# Altium PCB FMC_CMOS_SENSOR.PcbDoc (part 2 of 3)
Units mil, origin at the board's own origin, x right, y up, seen from the top; angles counter-clockwise.
Board outline 3017.68 x 2726.57 mil, 4 copper layers (Top Layer, Plane L3GND, MidLayer1, Bottom Layer), stack 55.118 mil thick; 88 components, 198 nets, 750 pads, 383 vias.
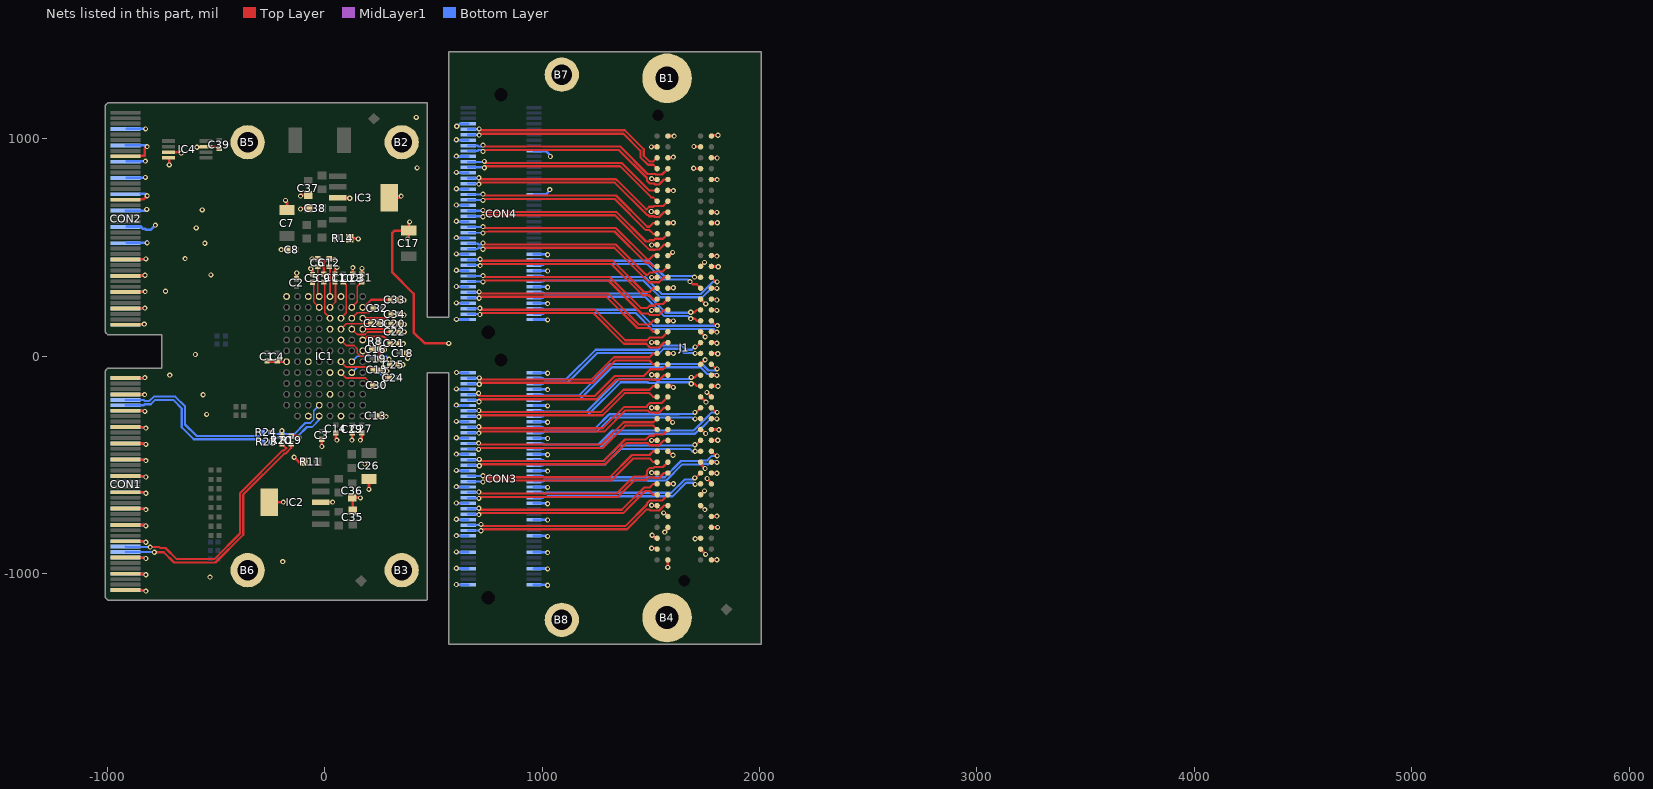
[diagram p4: the nets of this part, all layers, seen from the top]

## Via types
v1: diameter 23.62, hole 11.81, Top Layer to Bottom Layer, tented both sides, 364 vias
v2: diameter 23.62, hole 11.81, Top Layer to Bottom Layer, 19 vias

## Nets (pads, with @x,y where several pads share a name; then routed paths per layer and width w, separated by ;. In a path a pad name is that pad's centre, name@x,y a point inside that pad or via, vN(x,y) a via of type N, cw(c..) or ccw(c..) an arc to the next point about the centre after c; other vN are vias at no path point) (continued)
GND: B1.1 B2.1 B3.1 B4.1 B5.1 B6.1 B7.1 B8.1 C1.1 C2.1 C3.1 C4.1 C5.2 C6.2 C7.2 C8.1 C9.2 C11.2 C12.2 C13.1 C14.1 C15.2 C16.2 C17.2 C18.1 C19.1 C20.2 C21.2 C22.2 C23.2 C25.2 C26.2 C27.1 C28.1 C29.1 C31.2 C33.2 C34.2 C35.1 C36.1 C37.1 C38.1 C39.2 CON1.1 CON1.2 CON1.7 CON1.8 CON1.13 CON1.14 CON1.19 CON1.20 CON1.25 CON1.26 CON1.31 CON1.32 CON1.37 CON1.38 CON1.43 CON1.44 CON1.49 CON1.50 CON1.55 CON1.56 CON1.61 CON1.62 CON1.67 CON1.68 CON1.73 CON1.74 CON1.79 CON1.80 CON2.1 CON2.2 CON2.7 CON2.8 CON2.13 CON2.14 CON2.19 CON2.20 CON2.25 CON2.26 CON2.31 CON2.37 CON2.43 CON2.48 CON2.49 CON2.55 CON2.61 CON2.64 CON2.67 CON2.73 CON3.1 CON3.2 CON3.7 CON3.8 CON3.13 CON3.14 CON3.19 CON3.20 CON3.25 CON3.26 CON3.31 CON3.32 CON3.37 CON3.38 CON3.43 CON3.44 CON3.49 CON3.50 CON3.55 CON3.56 CON3.61 CON3.62 CON3.67 CON3.68 CON3.73 CON3.74 CON3.79 CON3.80 CON4.1 CON4.2 CON4.7 CON4.8 CON4.13 CON4.14 CON4.19 CON4.20 CON4.25 CON4.26 CON4.31 CON4.37 CON4.43 CON4.48 CON4.49 CON4.55 CON4.61 CON4.64 CON4.67 CON4.73 IC1.A6 IC1.A12 IC1.C1 IC1.C6 IC1.C12 IC1.E3 IC1.E5 IC1.E9 IC1.F1 IC1.F12 IC1.H7 IC2.3 IC2.6 IC3.3 IC3.6 IC4.3 IC4.4 IC4.7 J1.c1 J1.c4 J1.c5 J1.c8 J1.c9 J1.c12 J1.c13 J1.c16 J1.c17 J1.c20 J1.c21 J1.c24 J1.c25 J1.c28 J1.c29 J1.c32 J1.c33 J1.c36 J1.c38 J1.c40 J1.d2 J1.d3 J1.d6 J1.d7 J1.d10 J1.d13 J1.d16 J1.d19 J1.d22 J1.d25 J1.d28 J1.d37 J1.d39 J1.g1 J1.g4 J1.g5 J1.g8 J1.g11 J1.g14 J1.g17 J1.g20 J1.g23 J1.g26 J1.g29 J1.g32 J1.g35 J1.g38 J1.g40 J1.h2 J1.h3 J1.h6 J1.h9 J1.h12 J1.h15 J1.h18 J1.h21 J1.h24 J1.h27 J1.h30 J1.h33 J1.h36 J1.h39 R8.1 R11.2 R14.2 | length 11806.6
  Top Layer w12: CON1.80@-915.47,-100.7 -829.05,-100.7 v1(-826.77,-98.43) ; CON1.2@-914.67,-1076.4 -826.73,-1076.4 v1(-822.73,-1080.4) ; CON1.8@-914.67,-1001.4 -826.73,-1001.4 v1(-822.73,-1005.4) ; CON1.14@-914.67,-926.4 -826.73,-926.4 v1(-822.73,-930.4) ; CON1.20@-914.67,-851.4 -826.73,-851.4 v1(-822.73,-855.4) ; CON1.26@-914.67,-776.4 -826.73,-776.4 v1(-822.73,-780.4) ; CON1.32@-914.67,-701.4 -826.73,-701.4 v1(-822.73,-705.4) ; CON1.38@-914.67,-626.4 -826.73,-626.4 v1(-822.73,-630.4) ; CON1.44@-914.67,-551.4 -826.73,-551.4 v1(-822.73,-555.4) ; CON1.50@-914.67,-476.4 -826.73,-476.4 v1(-822.73,-480.4) ; CON1.56@-914.67,-401.4 -826.73,-401.4 v1(-822.73,-405.4) ; CON1.62@-914.67,-326.4 -826.73,-326.4 v1(-822.73,-330.4) ; CON1.68@-914.67,-251.4 -829.04,-251.4 v1(-826.94,-253.56) v1(-826.94,-253.56) ; CON1.74@-914.67,-176.4 -913.09,-174.82 v1@-828.47,-174.82 ; CON2.2@-910.67,146.6 -830.67,146.6 v1(-829.67,147.6) ; CON2.8@-910.67,221.6 v1(-826.67,221.6) ; CON2.14@-910.67,296.6 -826.67,296.6 v1(-825.67,297.6) ; CON2.20@-910.67,371.6 -827.73,371.6 v1(-826.6,372.73) ; CON2.26@-910.67,446.6 -823.67,446.6 v1(-822.67,447.6) ; CON2.64@-910.67,921.6 -829.67,921.6 -826.77,924.5 -826.77,954.72 ; -846.46,721.6 -833.51,721.6 v1@-820.67,734.45 ; IC4.4@-718.4,912.71 -714.78,909.1 v1(-714.78,880.1) ; IC4.3@-718.4,938.3 -663.99,938.3 v1(-659.78,934.1) ; v1(-587.49,961.1) -584.69,963.89 IC4.7@-545.17,963.89 -493.01,963.89 C39.2@-484.78,955.67 ; C1.1@-265.25,-20.68 -260.68,-25.25 IC1.A6@-175.25,-25.25 ; IC2.6@-254.36,-672.25 -191.09,-672.25 v1(-190.03,-671.19) ; v1(-199.87,490.24) C8.1@-168.38,490.23 ; v1(-180.19,716.61) -173.25,709.67 C7.2@-173.25,671.86 ; v1(-140.82,-464.5) -119.06,-486.25 R11.2@-96.24,-486.25 ; C2.1@-129.25,356.18 -129.25,381.75 v1(-128.25,382.75) ; v1(-111.29,677.24) -108.78,679.75 C38.1@-74.75,679.75 ; v1(-111.28,736.3) -105.83,741.76 C37.1@-75.25,741.76 ; v1(-64.25,402.75) -56.25,394.75 C5.2@-56.25,375.75 ; v1(-57.25,447.75) -56.54,448.46 C6.2@-32.25,448.46 -19.5,448.46 -4.25,433.22 ; IC2.3@-18.14,-672.25 35.28,-672.25 v1(36.35,-671.19) ; C3.1@-13.25,-381.68 -13.25,-414.88 v1(-12.86,-415.27) ; C9.2@-4.25,376.46 -4.25,433.22 ; v1(45.75,444.75) 42.32,448.18 C12.2@20.75,448.18 10.71,448.18 -4.25,433.22 ; C11.2@47.75,378.18 47.75,399.75 v1(56.75,408.75) ; C14.1@50.75,-351.97 50.75,-380.46 v1(56.04,-385.75) ; IC3.3@60.75,728.75 112.79,728.75 v1(115.09,726.45) ; R14.2@114.75,542.75 151.15,542.75 v1(154.46,539.44) ; v1(124.93,-385.76) 126.75,-383.94 C29.1@126.75,-353.25 ; C35.1@128.75,-709.76 128.75,-650.75 C36.1@127.75,-649.75 162.54,-649.75 v1(164.3,-651.5) ; C28.1@128.75,376.75 128.75,406.75 v1(129.75,407.75) ; v1(164.3,-385.76) 170.75,-379.31 C27.1@170.75,-351.97 ; C31.2@170.75,377.75 170.75,402.75 v1(171.75,403.75) ; v1(203.67,-612.13) C26.2@203.67,-563.92 ; C23.2@247.18,151.75 270.75,151.75 v1(271.75,150.75) ; R8.1@250.18,68.75 250.18,33.03 C16.2@251.46,31.75 ; C13.1@251.46,-274.25 279.19,-274.25 v1(282.42,-277.48) ; C19.1@253.18,-11.25 253.18,30.03 C16.2@251.46,31.75 ; C15.2@258.46,-63.25 280.75,-63.25 v1(285.75,-68.25) ; v1(275.75,29.75) 273.75,31.75 C16.2@251.46,31.75 ; IC3.6@296.97,728.75 343.76,728.75 v1(351.31,736.29) ; C25.2@334.75,-38.25 358.75,-38.25 v1(359.75,-39.25) ; C21.2@337.46,58.75 360.75,58.75 v1(361.75,57.75) ; C33.2@339.18,259.75 361.75,259.75 v1(363.75,257.75) ; C22.2@340.18,111.75 v1(365.75,111.75) ; C20.2@340.18,149.75 363.87,149.75 v1(366.87,146.75) ; C34.2@340.46,192.75 361.75,192.75 v1(364.75,189.75) ; C18.1@377.18,14.75 381.75,10.18 v1(381.75,-10.25) ; v1(380.83,539.44) 386.75,545.35 C17.2@386.75,577.8 ; v1(390.68,618.18) 386.75,614.25 C17.2@386.75,577.8 ; v2(570.87,59.06) 460.63,59.06 409.45,110.24 409.45,287.4 311.02,385.83 311.02,566.93 321.9,577.8 C17.2@386.75,577.8 ; v1(1502.08,665.75) 1504.89,662.94 J1.h33@1528.79,662.94 ; v1(1503.08,962.75) 1503.28,962.94 J1.h39@1528.79,962.94 ; v1(1504.08,-883.25) 1524.99,-883.25 J1.h2@1528.79,-887.06 ; v1(1504.08,-685.25) 1505.89,-687.06 J1.h6@1528.79,-687.06 ; v1(1504.08,-535.25) 1505.89,-537.06 J1.h9@1528.79,-537.06 ; v1(1504.08,-387.25) 1504.28,-387.06 J1.h12@1528.79,-387.06 ; v1(1504.08,-237.25) 1504.28,-237.06 J1.h15@1528.79,-237.06 ; v1(1504.08,-85.25) 1505.89,-87.06 J1.h18@1528.79,-87.06 ; v1(1504.08,63.75) 1504.89,62.94 J1.h21@1528.79,62.94 ; v1(1504.08,210.75) 1506.28,212.94 J1.h24@1528.79,212.94 ; v1(1504.08,362.75) 1504.28,362.94 J1.h27@1528.79,362.94 ; v1(1504.08,511.75) 1505.28,512.94 J1.h30@1528.79,512.94 ; v1(1504.08,816.75) 1507.89,812.94 J1.h36@1528.79,812.94 ; v1(1506.08,-823.25) 1519.89,-837.06 J1.h3@1528.79,-837.06 ; v1(1559.08,-720.25) 1561.99,-720.25 J1.g5@1578.79,-737.06 ; v1(1564.08,-809.25) 1578.79,-794.54 J1.g4@1578.79,-787.06 ; v1(1578.08,-971.25) 1578.79,-970.54 J1.g1@1578.79,-937.06 ; J1.g8@1578.79,-587.06 1603.28,-587.06 v1(1604.08,-586.25) ; J1.g11@1578.79,-437.06 1596.99,-455.25 v1(1602.08,-455.25) ; J1.g14@1578.79,-287.06 1582.89,-287.06 v1(1600.08,-304.25) ; J1.g17@1578.79,-137.06 1597.89,-137.06 v1(1604.08,-143.25) ; J1.g20@1578.79,12.94 1603.89,12.94 v1(1604.08,12.75) ; J1.g23@1578.79,162.94 1603.89,162.94 v1(1604.08,162.75) ; J1.g26@1578.79,312.94 1602.28,312.94 v1(1604.08,314.75) ; J1.g29@1578.79,462.94 1585.28,462.94 v1(1600.08,477.75) ; J1.g32@1578.79,612.94 1603.28,612.94 v1(1604.08,613.75) ; J1.g35@1578.79,762.94 1602.89,762.94 v1(1604.08,761.75) ; J1.g38@1578.79,912.94 1601.28,912.94 v1(1604.08,915.75) ; J1.g40@1578.79,1012.94 1606.89,1012.94 v1(1607.08,1012.75) ; v1(1697.08,864.75) 1698.89,862.94 J1.d37@1728.79,862.94 ; v1(1698.08,964.75) 1699.89,962.94 J1.d39@1728.79,962.94 ; v1(1704.08,-839.25) 1706.28,-837.06 J1.d3@1728.79,-837.06 ; J1.d2@1728.79,-887.06 1752.08,-910.35 v1(1752.08,-911.25) ; J1.d6@1728.79,-687.06 1730.89,-687.06 v1(1749.08,-705.25) ; J1.d7@1728.79,-637.06 1746.6,-619.25 v1(1747.08,-619.25) ; J1.d10@1728.79,-487.06 1728.79,-494.96 v1(1750.08,-516.25) ; J1.d13@1728.79,-337.06 1733.89,-337.06 v1(1752.08,-355.25) ; J1.d16@1728.79,-187.06 1729.89,-187.06 v1(1754.08,-211.25) ; J1.d19@1728.79,-37.06 1729.28,-37.06 v1(1750.08,-16.25) ; J1.d22@1728.79,112.94 1728.79,111.04 v1(1750.08,89.75) ; J1.d25@1728.79,262.94 1750.99,240.75 v1(1753.08,240.75) ; J1.d28@1728.79,412.94 1747.08,431.23 v1(1747.08,431.75) ; v1(1758.08,-166.25) 1758.08,-166.35 J1.c16@1778.79,-187.06 ; v1(1759.08,-562.25) 1778.79,-581.96 J1.c8@1778.79,-587.06 ; J1.c1@1778.79,-937.06 1803.28,-937.06 v1(1804.08,-936.25) ; J1.c4@1778.79,-787.06 1806.89,-787.06 v1(1807.08,-787.25) ; J1.c5@1778.79,-737.06 1802.28,-737.06 v1(1804.08,-735.25) ; J1.c9@1778.79,-537.06 1802.89,-537.06 v1(1804.08,-538.25) ; J1.c12@1778.79,-387.06 1807.28,-387.06 v1(1808.08,-386.25) ; J1.c13@1778.79,-337.06 1811.89,-337.06 v1(1813.08,-338.25) ; J1.c17@1778.79,-137.06 1807.89,-137.06 v1(1809.08,-138.25) ; J1.c20@1778.79,12.94 1806.89,12.94 v1(1808.08,11.75) ; J1.c21@1778.79,62.94 1800.89,62.94 v1(1804.08,59.75) ; J1.c24@1778.79,212.94 1801.89,212.94 v1(1804.08,210.75) ; J1.c25@1778.79,262.94 1799.89,262.94 v1(1804.08,258.75) ; J1.c28@1778.79,412.94 1808.89,412.94 v1(1810.08,411.75) ; J1.c29@1778.79,462.94 1801.89,462.94 v1(1804.08,460.75) ; J1.c32@1778.79,612.94 1805.28,612.94 v1(1806.08,613.75) ; J1.c33@1778.79,662.94 1802.89,662.94 v1(1804.08,661.75) ; J1.c36@1778.79,812.94 1804.89,812.94 v1(1805.08,812.75) ; J1.c38@1778.79,912.94 1803.89,912.94 v1(1805.08,911.75) ; J1.c40@1778.79,1012.94 1782.6,1016.75 v1(1809.08,1016.75)
  Bottom Layer w12: CON1.79@-915.47,-100.7 -829.05,-100.7 v1(-826.77,-98.43) ; CON2.43@-915.47,669.77 -824.5,669.77 v1(-818.67,675.6) ; CON2.67@-915.47,969.77 -822.14,969.77 v1(-816.93,964.57) ; CON1.1@-914.67,-1076.4 -826.73,-1076.4 v1(-822.73,-1080.4) ; CON1.7@-914.67,-1001.4 -826.73,-1001.4 v1(-822.73,-1005.4) ; CON1.13@-914.67,-926.4 -826.73,-926.4 v1(-822.73,-930.4) ; CON1.19@-914.67,-851.4 -826.73,-851.4 v1(-822.73,-855.4) ; CON1.25@-914.67,-776.4 -826.73,-776.4 v1(-822.73,-780.4) ; CON1.31@-914.67,-701.4 -826.73,-701.4 v1(-822.73,-705.4) ; CON1.37@-914.67,-626.4 -826.73,-626.4 v1(-822.73,-630.4) ; CON1.43@-914.67,-551.4 -826.73,-551.4 v1(-822.73,-555.4) ; CON1.49@-914.67,-476.4 -826.73,-476.4 v1(-822.73,-480.4) ; CON1.55@-914.67,-401.4 -826.73,-401.4 v1(-822.73,-405.4) ; CON1.61@-914.67,-326.4 -826.73,-326.4 v1(-822.73,-330.4) ; CON1.67@-914.67,-251.4 -829.04,-251.4 v1(-826.94,-253.56) v1(-826.94,-253.56) ; CON1.73@-914.67,-176.4 v1(-828.47,-176.4) ; CON1.79@-914.67,-101.4 CON1.79@-851.89,-101.4 ; CON2.1@-910.67,146.6 -830.67,146.6 v1(-829.67,147.6) ; CON2.7@-910.67,221.6 v1(-826.67,221.6) ; CON2.13@-910.67,296.6 -826.67,296.6 v1(-825.67,297.6) ; CON2.19@-910.67,371.6 -827.73,371.6 v1(-826.6,372.73) ; CON2.25@-910.67,446.6 -823.67,446.6 v1(-822.67,447.6) ; CON2.31@-910.67,521.6 -824.67,521.6 -817.04,529.23 -816.93,529.13 v1(-816.93,521.65) ; CON2.37@-910.67,596.6 -845.4,596.6 -834.57,585.77 -825.81,585.77 -822,581.96 -799.74,581.96 v1(-778.58,603.12) ; CON2.55@-910.67,821.6 -825.67,821.6 v1(-824.67,822.6) ; CON2.61@-910.67,896.6 -825.67,896.6 v1(-824.67,897.6) ; CON2.73@-910.67,1046.6 -824.67,1046.6 v1(-823.67,1045.6) ; -846.46,746.6 -825.34,746.6 v1(-816.93,738.19) ; v1@598.91,-1051.56 CON3.1@659.7,-1051.56 ; v1@598.91,-976.56 CON3.7@659.7,-976.56 ; v1@598.91,-901.56 CON3.13@659.7,-901.56 ; v1@598.91,-826.56 CON3.19@659.7,-826.56 ; v1@598.91,-751.56 CON3.25@659.7,-751.56 ; v1@598.91,-676.56 CON3.31@659.7,-676.56 ; v1@598.91,-601.56 CON3.37@659.7,-601.56 ; v1@598.91,-526.56 CON3.43@659.7,-526.56 ; v1@598.91,-451.56 CON3.49@659.7,-451.56 ; v1@598.91,-376.56 CON3.55@659.7,-376.56 ; v1@598.91,-301.56 CON3.61@659.7,-301.56 ; v1@598.91,-226.56 CON3.67@659.7,-226.56 ; v1@598.91,-151.56 CON3.73@659.7,-151.56 ; v1@598.91,168.92 CON4.1@659.7,168.92 ; v1@598.91,243.92 CON4.7@659.7,243.92 ; v1@598.91,318.92 CON4.13@659.7,318.92 ; v1@598.91,393.92 CON4.19@659.7,393.92 ; v1@598.91,468.92 CON4.25@659.7,468.92 ; v1@598.91,543.92 CON4.31@659.7,543.92 ; v1@598.91,618.92 CON4.37@659.7,618.92 ; v1@598.91,693.92 CON4.43@659.7,693.92 ; v1@598.91,768.92 CON4.49@659.7,768.92 ; v1@598.91,843.92 CON4.55@659.7,843.92 ; v1@598.91,918.92 CON4.61@659.7,918.92 ; v1@598.91,993.92 CON4.67@659.7,993.92 ; v1(605.55,-1050) v1@607.38,-1051.83 ; v1(605.55,-975) v1@607.38,-976.83 ; v1(605.55,-900) v1@607.38,-901.83 ; v1(605.55,-825) v1@607.38,-826.83 ; v1(605.55,-750) v1@607.38,-751.83 ; v1(605.55,-675) v1@607.38,-676.83 ; v1(605.55,-600) v1@607.38,-601.83 ; v1(605.55,-525) v1@607.38,-526.83 ; v1(605.55,-450) v1@607.38,-451.83 ; v1(605.55,-375) v1@607.38,-376.83 ; v1(605.55,-300) v1@607.38,-301.83 ; v1(605.55,-225) v1@607.38,-226.83 ; v1(605.55,-150) v1@607.38,-151.83 ; v1(605.55,245.67) v1@607.38,243.84 ; v1(605.55,320.67) v1@607.38,318.84 ; v1(605.55,395.67) v1@607.38,393.84 ; v1(605.55,470.67) v1@607.38,468.84 ; v1(605.55,545.67) v1@607.38,543.84 ; v1(605.55,620.67) v1@607.38,618.84 ; v1(605.55,695.67) v1@607.38,693.84 ; v1(605.55,770.67) v1@607.38,768.84 ; v1(605.55,845.67) v1@607.38,843.84 ; v1(605.55,920.67) v1@607.38,918.84 ; v1(605.55,995.67) v1@607.38,993.84 ; v1@606.3,-76.56 CON3.79@659.7,-76.56 ; v2@607.45,1059.95 613.03,1059.95 621.99,1068.92 CON4.73@659.7,1068.92 ; CON3.2@962.85,-1051.56 1023.63,-1051.56 v1(1025.46,-1053.39) ; CON3.8@962.85,-976.56 1023.63,-976.56 v1(1025.46,-978.39) ; CON3.14@962.85,-901.56 1023.63,-901.56 v1(1025.46,-903.39) ; CON3.20@962.85,-826.56 1023.63,-826.56 v1(1025.46,-828.39) ; CON3.26@962.85,-751.56 1023.63,-751.56 v1(1025.46,-753.39) ; CON3.32@962.85,-676.56 1023.63,-676.56 v1(1025.46,-678.39) ; CON3.38@962.85,-601.56 1023.63,-601.56 v1(1025.46,-603.39) ; CON3.44@962.85,-526.56 1023.63,-526.56 v1(1025.46,-528.39) ; CON3.50@962.85,-451.56 1023.63,-451.56 v1(1025.46,-453.39) ; CON3.56@962.85,-376.56 1023.63,-376.56 v1(1025.46,-378.39) ; CON3.62@962.85,-301.56 1023.63,-301.56 v1(1025.46,-303.39) ; CON3.68@962.85,-226.56 1023.63,-226.56 v1(1025.46,-228.39) ; CON3.74@962.85,-151.56 1023.63,-151.56 v1(1025.46,-153.39) ; CON3.80@962.85,-76.56 1023.63,-76.56 v1(1025.46,-78.39) ; CON4.2@962.85,168.92 1023.63,168.92 v1(1025.46,167.09) ; CON4.8@962.85,243.92 1023.63,243.92 v1(1025.46,242.09) ; CON4.14@962.85,318.92 1023.63,318.92 v1(1025.46,317.09) ; CON4.20@962.85,393.92 1023.63,393.92 v1(1025.46,392.09) ; CON4.26@962.85,468.92 1023.63,468.92 v1(1025.46,467.09) ; CON4.48@962.85,743.92 1017.25,743.92 1035.08,761.75 v1(1035.08,766.75) ; CON4.64@962.85,943.92 1017.91,943.92 1038.08,923.75 v1(1038.08,918.75)
  other v1: -527.56,-1015.75 -192.91,-944.88 185.04,-496.06 -543.31,-267.72 -559.06,-177.17 -712.6,-86.61 606.3,-74.8 -594.49,7.87 606.3,169.29 -732.28,299.21 -523.62,374.02 -641.73,448.82 -551.18,519.68 -590.55,590.55 -562.99,673.23 425.2,866.14 421.26,1098.43
  other v2: 607.45,1058
LA00_N: CON3.23 J1.g7 | length 987.1
  Top Layer w10: v1(719.08,-773.44) 719.08,-775.25 724.08,-780.25 1384.16,-780.25 1482.27,-682.14 1482.27,-676.22 1495.05,-663.44 1552.41,-663.44 J1.g7@1578.79,-637.06
  Bottom Layer w10: CON3.23@659.7,-776.56 715.97,-776.56 v1(719.08,-773.44)
LA00_P: CON3.21 J1.g6 | length 972.9
  Top Layer w10: v1(719.08,-802.56) 719.08,-800.75 724.08,-795.75 1390.58,-795.75 1482.05,-704.28 1492.26,-704.28 1497.64,-709.66 1538.15,-709.66 1560.75,-687.06 J1.g6@1578.79,-687.06
  Bottom Layer w10: CON3.21@659.7,-801.56 718.07,-801.56 v1(719.08,-802.56)
LA01_N: CON3.36 J1.d9 | length 807
  Top Layer w10: v1(1702.08,-559.25) 1706.6,-559.25 J1.d9@1728.79,-537.06
  Bottom Layer w10: CON3.36@962.85,-626.56 1004.08,-626.56 1008.83,-631.31 1015.08,-631.31 1018.14,-628.25 1594.08,-628.25 1651.08,-571.25 1655.62,-566.71 1694.62,-566.71 v1(1702.08,-559.25)
LA01_P: CON3.34 J1.d8 | length 798.5
  Top Layer w10: v1(1704.08,-589.25) 1706.28,-587.06 J1.d8@1728.79,-587.06
  Bottom Layer w10: CON3.34@962.85,-651.56 1004.08,-651.56 1008.83,-646.81 1021.5,-646.81 1024.56,-643.75 1600.5,-643.75 1662.04,-582.21 1697.04,-582.21 v1(1704.08,-589.25)
LA02_N: CON3.29 J1.h8 | length 925
  Top Layer w10: v1(709.08,-699.44) 709.08,-704.25 711.08,-706.25 1366.72,-706.25 1468.66,-604.31 1493.83,-604.31 1511.08,-587.06 J1.h8@1528.79,-587.06
  Bottom Layer w10: CON3.29@659.7,-701.56 706.97,-701.56 v1(709.08,-699.44)
LA02_P: CON3.27 J1.h7 | length 924.9
  Top Layer w10: v1(709.08,-728.56) 709.08,-723.75 711.08,-721.75 1373.14,-721.75 1399.64,-695.25 1475.08,-619.81 1493.83,-619.81 1511.08,-637.06 J1.h7@1528.79,-637.06
  Bottom Layer w10: CON3.27@659.7,-726.56 707.07,-726.56 v1(709.08,-728.56)
LA03_N: CON3.35 J1.g10 | length 993
  Top Layer w10: v1(709.08,-624.49) 715.89,-631.31 1343.11,-631.31 1421.16,-553.25 1473.16,-553.25 1482.27,-544.14 1482.27,-526.22 1495.05,-513.44 1512.97,-513.44 1516.76,-509.66 1556.19,-509.66 J1.g10@1578.79,-487.06
  Bottom Layer w10: CON3.35@659.7,-626.56 707.02,-626.56 v1(709.08,-624.49)
LA03_P: CON3.33 J1.g9 | length 970.4
  Top Layer w10: v1(709.08,-653.62) 715.89,-646.81 1349.53,-646.81 1427.58,-568.75 1479.58,-568.75 1491.27,-557.06 1516.84,-557.06 1519.43,-559.66 1538.15,-559.66 1560.75,-537.06 J1.g9@1578.79,-537.06
  Bottom Layer w10: CON3.33@659.7,-651.56 707.02,-651.56 v1(709.08,-653.62)
LA04_N: CON3.41 J1.h11 | length 922.2
  Top Layer w10: v1(728.35,-549.49) 735.16,-556.31 1311.66,-556.31 1413.66,-454.31 1493.83,-454.31 1511.08,-437.06 J1.h11@1528.79,-437.06
  Bottom Layer w10: CON3.41@659.7,-551.56 726.29,-551.56 v1(728.35,-549.49)
LA04_P: CON3.39 J1.h10 | length 922.2
  Top Layer w10: v1(728.35,-578.62) 735.16,-571.81 1318.09,-571.81 1420.08,-469.81 1493.83,-469.81 1511.08,-487.06 J1.h10@1528.79,-487.06
  Bottom Layer w10: CON3.39@659.7,-576.56 726.29,-576.56 v1(728.35,-578.62)
LA05_N: CON3.48 J1.d12 | length 807
  Top Layer w10: v1(1703.08,-407.25) 1708.6,-407.25 J1.d12@1728.79,-387.06
  Bottom Layer w10: CON3.48@962.85,-476.56 1004.08,-476.56 1008.83,-481.31 1284.03,-481.31 1354.08,-411.25 1699.08,-411.25 v1(1703.08,-407.25)
LA05_P: CON3.46 J1.d11 | length 794.3
  Top Layer w10: v1@1711.08,-437.06 J1.d11@1728.79,-437.06
  Bottom Layer w10: CON3.46@962.85,-501.56 1004.08,-501.56 1008.83,-496.81 1290.45,-496.81 1360.5,-426.75 1679.58,-426.75 1690.08,-437.25 v1(1704.08,-437.25)
LA06_N: CON3.42 J1.c11 | length 920.5
  Top Layer w10: J1.c11@1778.79,-437.06 1799.99,-458.25 v1(1805.08,-458.25)
  Bottom Layer w10: CON3.42@962.85,-551.56 1004.08,-551.56 1008.83,-556.31 1494.29,-556.31 1495.05,-557.06 1521.12,-557.06 1521.87,-556.31 1564.11,-556.31 1634.12,-486.29 1638.66,-481.75 1731.82,-481.75 1734.63,-478.94 1760.39,-478.94 1781.08,-458.25 v1(1805.08,-458.25)
LA06_P: CON3.40 J1.c10 | length 903.2
  Top Layer w10: J1.c10@1778.79,-487.06 v1@1797.08,-487.06
  Bottom Layer w10: CON3.40@962.85,-576.56 1004.08,-576.56 1008.83,-571.81 1487.87,-571.81 1488.63,-572.56 1527.54,-572.56 1528.29,-571.81 1570.53,-571.81 1645.08,-497.25 1738.24,-497.25 1741.05,-494.44 1759.12,-494.44 1761.93,-497.25 1764,-497.25 1778.04,-483.21 1799.04,-483.21 v1(1804.08,-488.25)
LA07_N: CON3.53 J1.h14 | length 922.2
  Top Layer w10: v1(708.08,-399.49) 714.89,-406.31 1273.11,-406.31 1375.66,-303.75 1484.22,-303.75 1512.1,-303.75 J1.h14@1528.79,-287.06
  Bottom Layer w10: CON3.53@659.7,-401.56 706.02,-401.56 v1(708.08,-399.49)
LA07_P: CON3.51 J1.h13 | length 922.6
  Top Layer w10: v1(708.08,-428.62) 714.89,-421.81 1279.53,-421.81 1382.08,-319.25 1510.99,-319.25 J1.h13@1528.79,-337.06
  Bottom Layer w10: CON3.51@659.7,-426.56 706.02,-426.56 v1(708.08,-428.62)
LA08_N: CON3.47 J1.g13 | length 982.5
  Top Layer w10: v1(711.08,-474.49) 717.89,-481.31 1283.11,-481.31 1381.16,-383.25 1477.24,-383.25 1495.05,-365.44 1513.65,-365.44 1519.43,-359.66 1556.19,-359.66 J1.g13@1578.79,-337.06
  Bottom Layer w10: CON3.47@659.7,-476.56 709.02,-476.56 v1(711.08,-474.49)
LA08_P: CON3.45 J1.g12 | length 977.3
  Top Layer w10: v1(711.08,-503.62) 717.89,-496.81 1289.53,-496.81 1387.58,-398.75 1484.74,-398.75 1495.05,-409.06 1518.84,-409.06 1519.43,-409.66 1538.15,-409.66 1560.75,-387.06 J1.g12@1578.79,-387.06
  Bottom Layer w10: CON3.45@659.7,-501.56 709.02,-501.56 v1(711.08,-503.62)
LA09_N: CON3.60 J1.d15 | length 801.3
  Top Layer w10: v1(1703.08,-258.25) 1707.6,-258.25 J1.d15@1728.79,-237.06
  Bottom Layer w10: CON3.60@962.85,-326.56 1004.08,-326.56 1008.83,-331.31 1245.03,-331.31 1308.08,-268.25 1309.39,-266.94 1628.92,-266.94 1629.92,-265.94 v1@1700.65,-265.94
LA09_P: CON3.58 J1.d14 | length 788.9
  Top Layer w10: v1(1704.08,-288.25) 1705.28,-287.06 J1.d14@1728.79,-287.06
  Bottom Layer w10: CON3.58@962.85,-351.56 1004.08,-351.56 1008.83,-346.81 1251.45,-346.81 1315.81,-282.44 1689.69,-282.44 v1@1695.5,-288.25
LA10_N: CON3.54 J1.c15 | length 940.6
  Top Layer w10: J1.c15@1778.79,-237.06 1799.99,-258.25 v1(1805.08,-258.25)
  Bottom Layer w10: CON3.54@962.85,-401.56 1004.08,-401.56 1008.83,-406.31 1259.03,-406.31 1324.08,-341.25 1697.16,-341.25 1756.12,-282.29 1780.16,-258.25 v1(1805.08,-258.25)
LA10_P: CON3.52 J1.c14 | length 916.8
  Top Layer w10: J1.c14@1778.79,-287.06 v1@1797.08,-287.06
  Bottom Layer w10: CON3.52@962.85,-426.56 1004.08,-426.56 1008.83,-421.81 1265.45,-421.81 1330.5,-356.75 1703.58,-356.75 1734.94,-325.4 1738.81,-325.4 1775.96,-288.25 v1(1804.08,-288.25)
LA11_N: CON3.65 J1.h17 | length 922.2
  Top Layer w10: v1(709.08,-249.49) 715.89,-256.31 1272.11,-256.31 1374.11,-154.31 1493.83,-154.31 1511.08,-137.06 J1.h17@1528.79,-137.06
  Bottom Layer w10: CON3.65@659.7,-251.56 707.02,-251.56 v1(709.08,-249.49)
LA11_P: CON3.63 J1.h16 | length 922.2
  Top Layer w10: v1(709.08,-278.62) 715.89,-271.81 1278.53,-271.81 1380.53,-169.81 1493.83,-169.81 1511.08,-187.06 J1.h16@1528.79,-187.06
  Bottom Layer w10: CON3.63@659.7,-276.56 707.02,-276.56 v1(709.08,-278.62)
LA12_N: CON3.59 J1.g16 | length 985.2
  Top Layer w10: v1(709.08,-324.49) 715.89,-331.31 1279.11,-331.31 1377.66,-232.75 1482.27,-232.75 1482.27,-228.22 1495.05,-215.44 1518.45,-215.44 1519.43,-214.46 1551.39,-214.46 J1.g16@1578.79,-187.06
  Bottom Layer w10: CON3.59@659.7,-326.56 707.02,-326.56 v1(709.08,-324.49)
LA12_P: CON3.57 J1.g15 | length 976.4
  Top Layer w10: v1(709.08,-353.62) 715.89,-346.81 1285.53,-346.81 1382.55,-249.78 1485.76,-249.78 1495.05,-259.06 1518.84,-259.06 1519.43,-259.66 1538.15,-259.66 1560.75,-237.06 J1.g15@1578.79,-237.06
  Bottom Layer w10: CON3.57@659.7,-351.56 707.02,-351.56 v1(709.08,-353.62)
LA13_N: CON3.66 J1.d18 | length 838.6
  Top Layer w10: v1(1686.08,-97.5) 1700.64,-97.5 1711.08,-87.06 J1.d18@1728.79,-87.06
  Bottom Layer w10: CON3.66@962.85,-251.56 1004.08,-251.56 1006.78,-254.25 1205.16,-254.25 1355.11,-104.31 1492.29,-104.31 1495.05,-107.06 1519.12,-107.06 1521.87,-104.31 1679.27,-104.31 v1(1686.08,-97.5)
LA13_P: CON3.64 J1.d17 | length 840.3
  Top Layer w10: v1(1686.08,-126.62) 1700.64,-126.62 1711.08,-137.06 J1.d17@1728.79,-137.06
  Bottom Layer w10: CON3.64@962.85,-276.56 1004.08,-276.56 1010.89,-269.75 1211.58,-269.75 1361.53,-119.81 1485.87,-119.81 1488.63,-122.56 1525.54,-122.56 1528.29,-119.81 1679.27,-119.81 v1(1686.08,-126.62)
LA14_N: CON3.72 J1.c19 | length 955.1
  Top Layer w10: J1.c19@1778.79,-37.06 1799.99,-58.25 v1(1805.08,-58.25)
  Bottom Layer w10: CON3.72@962.85,-176.56 1004.08,-176.56 1008.83,-181.31 1169.03,-181.31 1314.83,-35.51 1735.26,-35.51 1765.25,-65.5 1797.83,-65.5 v1(1805.08,-58.25)
LA14_P: CON3.70 J1.c18 | length 937.3
  Top Layer w10: J1.c18@1778.79,-87.06 v1@1797.08,-87.06
  Bottom Layer w10: CON3.70@962.85,-201.56 1004.08,-201.56 1008.83,-196.81 1175.45,-196.81 1321.25,-51.01 1728.84,-51.01 1758.83,-81 1796.83,-81 v1(1804.08,-88.25)
LA15_N: CON3.77 J1.h20 | length 922.2
  Top Layer w10: v1(711.08,-99.49) 717.89,-106.31 1228.11,-106.31 1330.11,-4.31 1493.83,-4.31 1511.08,12.94 J1.h20@1528.79,12.94
  Bottom Layer w10: CON3.77@659.7,-101.56 709.02,-101.56 v1(711.08,-99.49)
LA15_P: CON3.75 J1.h19 | length 922.2
  Top Layer w10: v1(711.08,-128.62) 717.89,-121.81 1234.53,-121.81 1336.53,-19.81 1493.83,-19.81 1511.08,-37.06 J1.h19@1528.79,-37.06
  Bottom Layer w10: CON3.75@659.7,-126.56 709.02,-126.56 v1(711.08,-128.62)
LA16_N: CON3.71 J1.g19 | length 992.9
  Top Layer w10: v1(707.89,-170.44) 707.89,-181.06 709.08,-182.25 1243.16,-182.25 1334.16,-91.25 1467.24,-91.25 1498.83,-59.66 1556.19,-59.66 J1.g19@1578.79,-37.06
  Bottom Layer w10: CON3.71@659.7,-176.56 701.78,-176.56 v1(707.89,-170.44)
LA16_P: CON3.69 J1.g18 | length 983.5
  Top Layer w10: v1(709.79,-209.56) 709.08,-208.86 709.08,-197.75 1249.58,-197.75 1340.58,-106.75 1468.5,-106.75 1468.81,-107.06 1516.84,-107.06 1519.43,-109.66 1538.15,-109.66 1560.75,-87.06 J1.g18@1578.79,-87.06
  Bottom Layer w10: CON3.69@659.7,-201.56 701.78,-201.56 v1(709.79,-209.56)
LA17_N: CON3.78 J1.d21 | length 854.8
  Top Layer w10: v1(1704.08,42.75) 1708.6,42.75 J1.d21@1728.79,62.94
  Bottom Layer w10: CON3.78@962.85,-101.56 1004.08,-101.56 1008.78,-106.25 1110.16,-106.25 1246.16,29.75 1532.95,29.75 1553.26,50.06 1639.65,50.06 1659.96,29.75 1688.08,29.75 1701.08,42.75 v1(1704.08,42.75)
LA17_P: CON3.76 J1.d20 | length 841.8
  Top Layer w10: v1(1704.08,12.75) 1704.28,12.94 J1.d20@1728.79,12.94
  Bottom Layer w10: CON3.76@962.85,-126.56 1004.08,-126.56 1008.89,-121.75 1116.58,-121.75 1252.58,14.25 1539.37,14.25 1559.68,34.56 1633.23,34.56 1653.54,14.25 1702.58,14.25 v1(1704.08,12.75)
LA18_N: CON4.6 J1.c23 | length 912.5
  Top Layer w10: J1.c23@1778.79,162.94 1800.99,140.75 v1(1806.08,140.75)
  Bottom Layer w10: CON4.6@962.85,218.92 1004.08,218.92 1008.83,214.17 1437.58,214.17 1511.5,140.25 1805.58,140.25 v1(1806.08,140.75)
LA18_P: CON4.4 J1.c22 | length 897.9
  Top Layer w10: J1.c22@1778.79,112.94 v1@1797.08,112.94
  Bottom Layer w10: CON4.4@962.85,193.92 1004.08,193.92 1008.83,198.67 1431.16,198.67 1505.08,124.75 1790.08,124.75 v1(1804.08,110.75)
LA19_N: CON4.11 J1.h23 | length 939.3
  Top Layer w10: v1(710.08,295.98) 716.89,289.17 1301.61,289.17 1445.08,145.69 1493.83,145.69 1511.08,162.94 J1.h23@1528.79,162.94
  Bottom Layer w10: CON4.11@659.7,293.92 708.02,293.92 v1(710.08,295.98)
LA19_P: CON4.9 J1.h22 | length 939.3
  Top Layer w10: v1(710.08,266.86) 716.89,273.67 1295.19,273.67 1438.66,130.19 1493.83,130.19 1511.08,112.94 J1.h22@1528.79,112.94
  Bottom Layer w10: CON4.9@659.7,268.92 708.02,268.92 v1(710.08,266.86)
LA20_N: CON4.5 J1.g22 | length 997.6
  Top Layer w10: v1(714.08,220.98) 720.89,214.17 1241.66,214.17 1382.58,73.25 1482.74,73.25 1495.05,85.56 1535.41,85.56 1551.39,85.54 J1.g22@1578.79,112.94
  Bottom Layer w10: CON4.5@659.7,218.92 712.02,218.92 v1(714.08,220.98)
LA20_P: CON4.3 J1.g21 | length 997.7
  Top Layer w10: v1(714.08,191.86) 720.89,198.67 1235.24,198.67 1376.16,57.75 1479.24,57.75 1496.64,40.34 1538.15,40.34 1560.75,62.94 J1.g21@1578.79,62.94
  Bottom Layer w10: CON4.3@659.7,193.92 712.02,193.92 v1(714.08,191.86)
LA21_N: CON4.23 J1.h26 | length 939.3
  Top Layer w10: v1(714.89,445.98) 721.7,439.17 1325.61,439.17 1469.08,295.69 1493.83,295.69 1511.08,312.94 J1.h26@1528.79,312.94
  Bottom Layer w10: CON4.23@659.7,443.92 712.83,443.92 v1(714.89,445.98)
LA21_P: CON4.21 J1.h25 | length 939.3
  Top Layer w10: v1(714.89,416.86) 721.7,423.67 1319.19,423.67 1462.66,280.19 1493.83,280.19 1511.08,262.94 J1.h25@1528.79,262.94
  Bottom Layer w10: CON4.21@659.7,418.92 712.83,418.92 v1(714.89,416.86)
LA22_N: CON4.17 J1.g25 | length 998.4
  Top Layer w10: v1(728.35,370.98) 735.16,364.17 1311.62,364.17 1453.49,222.3 1484.79,222.3 1495.05,232.56 1516.45,232.56 1524.24,240.34 1556.19,240.34 J1.g25@1578.79,262.94
  Bottom Layer w10: CON4.17@659.7,368.92 726.29,368.92 v1(728.35,370.98)
LA22_P: CON4.15 J1.g24 | length 998.9
  Top Layer w10: v1(728.35,341.86) 735.16,348.67 1305.2,348.67 1457.66,196.21 1487.78,196.21 1495.05,188.94 1536.75,188.94 1560.75,212.94 J1.g24@1578.79,212.94
  Bottom Layer w10: CON4.15@659.7,343.92 726.29,343.92 v1(728.35,341.86)
LA23_N: CON4.12 J1.d24 | length 810.2
  Top Layer w10: v1(1684.08,202.5) 1700.64,202.5 1711.08,212.94 J1.d24@1728.79,212.94
  Bottom Layer w10: CON4.12@962.85,293.92 1004.08,293.92 1008.83,289.17 1479.43,289.17 1520.54,248.06 1568.54,200.06 1681.64,200.06 v1(1684.08,202.5)
LA23_P: CON4.10 J1.d23 | length 810.8
  Top Layer w10: v1(1684.08,173.38) 1700.64,173.38 1711.08,162.94 J1.d23@1728.79,162.94
  Bottom Layer w10: CON4.10@962.85,268.92 1004.08,268.92 1008.83,273.67 1473.01,273.67 1526.89,219.78 ; 1529.01,217.66 1562.12,184.56 1670.47,184.56 1681.65,173.38 v1(1684.08,173.38)
LA24_N: CON4.35 J1.h29 | length 939.3
  Top Layer w10: v1(728.35,595.98) 735.16,589.17 1339.61,589.17 1483.08,445.69 1493.83,445.69 1511.08,462.94 J1.h29@1528.79,462.94
  Bottom Layer w10: CON4.35@659.7,593.92 726.29,593.92 v1(728.35,595.98)
LA24_P: CON4.33 J1.h28 | length 939.3
  Top Layer w6: v1(728.35,566.86) 735.16,573.67 753.62,573.67
  Top Layer w10: 753.62,573.67 1333.19,573.67 1476.66,430.19 1493.83,430.19 1511.08,412.94 J1.h28@1528.79,412.94
  Bottom Layer w6: CON4.33@659.7,568.92 726.29,568.92 v1(728.35,566.86)
LA25_N: CON4.29 J1.g28 | length 1000.3
  Top Layer w10: v1(728.35,520.98) 735.16,514.17 1338.66,514.17 1478.08,374.75 1485.24,374.75 1495.05,384.56 1514.12,384.56 1519.9,390.34 1556.19,390.34 J1.g28@1578.79,412.94
  Bottom Layer w10: CON4.29@659.7,518.92 702.99,518.92 707.74,514.17 721.54,514.17 v1(728.35,520.98)
LA25_P: CON4.27 J1.g27 | length 1001.6
  Top Layer w10: v1(728.35,491.86) 735.16,498.67 1332.24,498.67 1490.57,340.34 1538.15,340.34 1560.75,362.94 J1.g27@1578.79,362.94
  Bottom Layer w10: CON4.27@659.7,493.92 702.99,493.92 707.74,498.67 721.54,498.67 v1(728.35,491.86)
LA26_N: CON4.24 J1.d27 | length 799.5
  Top Layer w10: v1(1701.08,363.75) 1701.89,362.94 J1.d27@1728.79,362.94
  Bottom Layer w10: CON4.24@962.85,443.92 1004.08,443.92 1008.83,439.17 1490.58,439.17 1561,368.75 1696.08,368.75 v1(1701.08,363.75)
LA26_P: CON4.22 J1.d26 | length 813.8
  Top Layer w10: v1(1680.49,343.15) 1692.9,330.75 1710.99,330.75 J1.d26@1728.79,312.94
  Bottom Layer w10: CON4.22@962.85,418.92 1004.08,418.92 1008.83,423.67 1484.16,423.67 1554.58,353.25 1670.4,353.25 v1(1680.49,343.15)
LA27_N: CON4.18 J1.c27 | length 934.9
  Top Layer w10: J1.c27@1778.79,362.94 1799.99,341.75 v1(1805.08,341.75)
  Bottom Layer w10: CON4.18@962.85,368.92 1004.08,368.92 1008.83,364.17 1473.19,364.17 1482.27,355.09 1482.27,353.71 1549.24,286.75 1730.68,286.75 1785.68,341.75 v1(1805.08,341.75)
LA27_P: CON4.16 J1.c26 | length 911.1
  Top Layer w10: J1.c26@1778.79,312.94 v1@1797.08,312.94
  Bottom Layer w10: CON4.16@962.85,343.92 1004.08,343.92 1008.83,348.67 1466.77,348.67 1466.77,347.29 1542.82,271.25 1737.1,271.25 1777.6,311.75 v1(1804.08,311.75)
LA28_N: CON4.47 J1.h32 | length 939.3
  Top Layer w10: v1(728.35,745.98) 735.16,739.17 1339.61,739.17 1483.08,595.69 1493.83,595.69 1511.08,612.94 J1.h32@1528.79,612.94
  Bottom Layer w10: CON4.47@659.7,743.92 726.29,743.92 v1(728.35,745.98)
LA28_P: CON4.45 J1.h31 | length 939.3
  Top Layer w10: v1(728.35,716.86) 735.16,723.67 1333.19,723.67 1476.66,580.19 1493.83,580.19 1511.08,562.94 J1.h31@1528.79,562.94
  Bottom Layer w10: CON4.45@659.7,718.92 726.29,718.92 v1(728.35,716.86)
LA29_N: CON4.41 J1.g31 | length 993.9
  Top Layer w10: v1(728.35,670.98) 735.16,664.17 1341.66,664.17 1478.12,527.71 1489.2,527.71 1495.05,533.56 1513.97,533.56 1520.76,540.34 1556.19,540.34 J1.g31@1578.79,562.94
  Bottom Layer w10: CON4.41@659.7,668.92 726.29,668.92 v1(728.35,670.98)
LA29_P: CON4.39 J1.g30 | length 998
  Top Layer w10: v1(728.35,641.86) 735.16,648.67 1335.24,648.67 1493.57,490.34 1494.64,490.34 1495.05,489.94 1519.12,489.94 1519.52,490.34 1538.15,490.34 1560.75,512.94 J1.g30@1578.79,512.94
  Bottom Layer w10: CON4.39@659.7,643.92 726.29,643.92 v1(728.35,641.86)
LA30_N: CON4.59 J1.h35 | length 929.8
  Top Layer w10: v1(734.77,896.56) 741.83,889.5 1365.33,889.5 1491.89,762.94 J1.h35@1528.79,762.94
  MidLayer1 w10: v1(734.77,896.56) v1@739.08,896.56
  Bottom Layer w10: CON4.59@659.7,893.92 732.13,893.92 v1(734.77,896.56)
LA30_P: CON4.57 J1.h34 | length 940.2
  Top Layer w10: v1(734.77,866.94) 741.83,874 1358.91,874 1502.16,730.75 1510.99,730.75 J1.h34@1528.79,712.94
  MidLayer1 w10: v1@728.35,866.14 729.14,866.94 v1(734.77,866.94)
  Bottom Layer w10: CON4.57@659.7,868.92 725.57,868.92 v1@728.35,866.14
LA31_N: CON4.53 J1.g34 | length 995.1
  Top Layer w10: v1(709.08,820.98) 715.89,814.17 1340.66,814.17 1346.04,808.79 1478.62,676.21 1481.7,676.21 1493.05,687.56 1510.97,687.56 1513.76,690.34 1556.19,690.34 J1.g34@1578.79,712.94
  Bottom Layer w10: CON4.53@659.7,818.92 707.02,818.92 v1(709.08,820.98)
LA31_P: CON4.51 J1.g33 | length 997.7
  Top Layer w10: v1(709.08,791.86) 715.89,798.67 1334.24,798.67 1482.7,650.21 1486.78,650.21 1493.05,643.94 1515.84,643.94 1519.43,640.34 1538.15,640.34 1560.75,662.94 J1.g33@1578.79,662.94
  Bottom Layer w10: CON4.51@659.7,793.92 707.02,793.92 v1(709.08,791.86)
LA32_N: CON4.71 J1.h38 | length 956.4
  Top Layer w10: v1(710.08,1045.98) 716.89,1039.17 1380.58,1039.17 1467.58,952.17 1467.58,922.25 1493.58,896.25 1512.1,896.25 J1.h38@1528.79,912.94
  Bottom Layer w10: CON4.71@659.7,1043.92 708.02,1043.92 v1(710.08,1045.98)
LA32_P: CON4.69 J1.h37 | length 956.9
  Top Layer w10: v1(710.08,1016.86) 716.89,1023.67 1374.16,1023.67 1452.08,945.75 1452.08,915.83 1487.16,880.75 1510.99,880.75 J1.h37@1528.79,862.94
  Bottom Layer w10: CON4.69@659.7,1018.92 708.02,1018.92 v1(710.08,1016.86)
LA33_N: CON4.65 J1.g37 | length 991.3
  Top Layer w10: v1(728.35,970.98) 734.83,964.5 1359.25,964.5 1485.19,838.56 1521.12,838.56 1524.14,835.54 1551.39,835.54 J1.g37@1578.79,862.94
  Bottom Layer w10: CON4.65@659.7,968.92 702.99,968.92 707.74,964.17 721.54,964.17 v1(728.35,970.98)
LA33_P: CON4.63 J1.g36 | length 1008.9
  Top Layer w10: v1(728.35,941.86) 730.78,941.86 737.92,949 1352.83,949 1482.27,819.56 1482.27,807.71 1495.05,794.94 1514.84,794.94 1519.43,790.34 1538.15,790.34 1560.75,812.94 J1.g36@1578.79,812.94
  Bottom Layer w10: CON4.63@659.7,943.92 702.99,943.92 707.74,948.67 721.54,948.67 v1(728.35,941.86)
LVDS_CLK_N: IC1.D2 R20.1 R24.1 | length 343.6
  Top Layer w10: R20.1@-196.85,-366.14 v2(-196.85,-342.52)
  Bottom Layer w8: -66.5,-307.25 -50.5,-291.25 -50.5,-250.5 IC1.D2@-25.25,-225.25
  Bottom Layer w10: R24.1@-250,-350.39 -242.13,-358.27 -212.6,-358.27 v2(-196.85,-342.52) -181.1,-358.27 -140.5,-358.27 -89.48,-307.25 -66.5,-307.25
LVDS_CLK_P: IC1.D1 R19.1 R23.1 | length 305.5
  Top Layer w10: R19.1@-145.67,-364.17 -127.95,-364.17 v2(-118.11,-374.02)
  Bottom Layer w8: -66.25,-325.25 -57.54,-325.25 -25.25,-292.97 IC1.D1@-25.25,-275.25
  Bottom Layer w10: R23.1@-248.03,-393.7 -228.35,-374.02 v2@-129.92,-374.02 ; v2@-124.02,-368.11 -81.16,-325.25 -66.25,-325.25
NetC5_1: C5.1 IC1.D11 | length 128.4
  Top Layer w8: C5.1@-56.25,340.32 -50,334.06 -50,249.5 IC1.D11@-25.25,224.75
NetC6_1: C6.1 IC1.D12 | length 141.2
  Top Layer w8: C6.1@-32.25,413.03 -32.25,281.75 IC1.D12@-25.25,274.75
NetC9_1: C9.1 IC1.E10 | length 178.3
  Top Layer w8: C9.1@-4.25,341.03 0,336.78 0,199.5 IC1.E10@24.75,174.75
NetC10_1: C10.1 IC1.F10 | length 183.2
  Top Layer w8: IC1.F10@74.75,174.75 99.5,199.5 99.5,328.28 C10.1@85.75,342.03
NetC11_1: C11.1 IC1.E11 | length 129
  Top Layer w8: IC1.E11@24.75,224.75 49.5,249.5 49.5,341 C11.1@47.75,342.75
NetC12_1: C12.1 IC1.E12 | length 139.7
  Top Layer w8: C12.1@20.75,412.75 24.75,408.75 IC1.E12@24.75,274.75
NetC15_1: C15.1 IC1.F6 | length 164
  Top Layer w8: IC1.F6@74.75,-25.25 99.5,-50 209.78,-50 C15.1@223.03,-63.25
NetC16_1: C16.1 IC1.F8 | length 197.5
  Top Layer w8: IC1.F8@74.75,74.75 100,49.5 135,49.5 149.5,35 149.5,15 164.5,0 185,0 216.03,31.03 C16.1@216.03,31.75
NetC20_1: C20.1 IC1.H9 | length 140.4
  Top Layer w8: IC1.H9@174.75,124.75 279.75,124.75 C20.1@304.75,149.75
NetC21_1: C21.1 IC1.H8 | length 147
  Top Layer w10: IC1.H8@174.75,74.75 179.55,74.75 195.36,90.56 270.22,90.56 C21.1@302.03,58.75
NetC22_1: C22.1 IC1.G9 | length 195.1
  Top Layer w8: IC1.G9@124.75,124.75 149.5,100 185,100 196.75,111.75 C22.1@304.75,111.75
NetC23_1: C23.1 IC1.F9 | length 148.2
  Top Layer w8: IC1.F9@74.75,124.75 99.5,149.5 209.5,149.5 C23.1@211.75,151.75
NetC24_1: C24.1 IC1.G5 | length 203
  Top Layer w8: v1(272.75,-98.25) C24.1@297.75,-98.25
  Bottom Layer w8: IC1.G5@124.75,-75.25 149.5,-50.5 225,-50.5 v1(272.75,-98.25)
NetC25_1: C25.1 IC1.G6 | length 213
  Top Layer w8: v1(296.51,-14.01) 299.32,-16.82 C25.1@299.32,-38.25
  Bottom Layer w8: IC1.G6@124.75,-25.25 149.5,-0.5 283,-0.5 v1(296.51,-14.01)
NetC30_1: C30.1 IC1.F5 | length 171.4
  Top Layer w8: IC1.F5@74.75,-75.25 100,-100.5 188,-100.5 C30.1@221.75,-134.25
NetC31_1: C31.1 IC1.G11 | length 136.6
  Top Layer w8: IC1.G11@124.75,224.75 150,250 150,321.57 C31.1@170.75,342.32
NetC32_1: C32.1 IC1.G10 | length 118.5
  Top Layer w8: IC1.G10@124.75,174.75 149.5,199.5 202.25,199.5 C32.1@223.96,221.2
NetC33_1: C33.1 IC1.H11 | length 143.5
  Top Layer w10: IC1.H11@174.75,224.75 179.55,224.75 214.55,259.75 C33.1@303.75,259.75
NetC34_1: C34.1 IC1.H10 | length 137.7
  Top Layer w10: IC1.H10@174.75,174.75 287.03,174.75 C34.1@305.03,192.75
NetCON1_15: CON1.15 R19.2 | length 1126.6
  Top Layer w10: v2(-783.46,-901.57) -740.16,-901.57 -692.91,-948.82 -502.41,-948.82 -374.76,-821.17 -374.76,-636.13 -186.7,-448.07 -180.2,-448.07 -153.54,-421.42 R19.2@-153.54,-403.54
  Bottom Layer w10: CON1.15@-915.47,-900.7 -784.34,-900.7 v2(-783.46,-901.57)
NetCON1_17: CON1.17 R20.2 | length 1109.8
  Top Layer w10: v2(-803.15,-877.95) -759.84,-877.95 -755.91,-881.89 -732.28,-881.89 -681.1,-933.07 -507.87,-933.07 -389.76,-814.96 -389.76,-629.92 -192.91,-433.07 -186.41,-433.07 -177.17,-423.83 -177.17,-423.23 R20.2@-196.85,-403.54
  Bottom Layer w10: CON1.17@-915.47,-875.7 -913.21,-877.95 v2(-803.15,-877.95)
NetCON1_69: CON1.69 R23.2 | length 853.9
  Bottom Layer w10: CON1.69@-915.47,-225.7 -832.44,-225.7 -827.69,-220.95 -799.69,-220.95 -779.53,-200.79 -696.85,-200.79 -657.48,-240.16 -657.48,-326.77 -602.36,-381.89 -299.21,-381.89 -287.4,-393.7 R23.2@-283.46,-393.7 ; CON1.69@-914.67,-226.4 -833.74,-226.4
NetCON1_71: CON1.71 R24.2 | length 770.3
  Bottom Layer w10: CON1.71@-915.47,-200.7 -832.44,-200.7 -827.69,-205.45 -805.4,-205.45 -785.74,-185.79 -686.7,-185.79 -642.46,-230.03 -642.46,-313.58 -589.9,-366.14 -301.18,-366.14 R24.2@-285.43,-350.39